# Allegro board DPU_PoE_A1_Sep27.brd (continued)
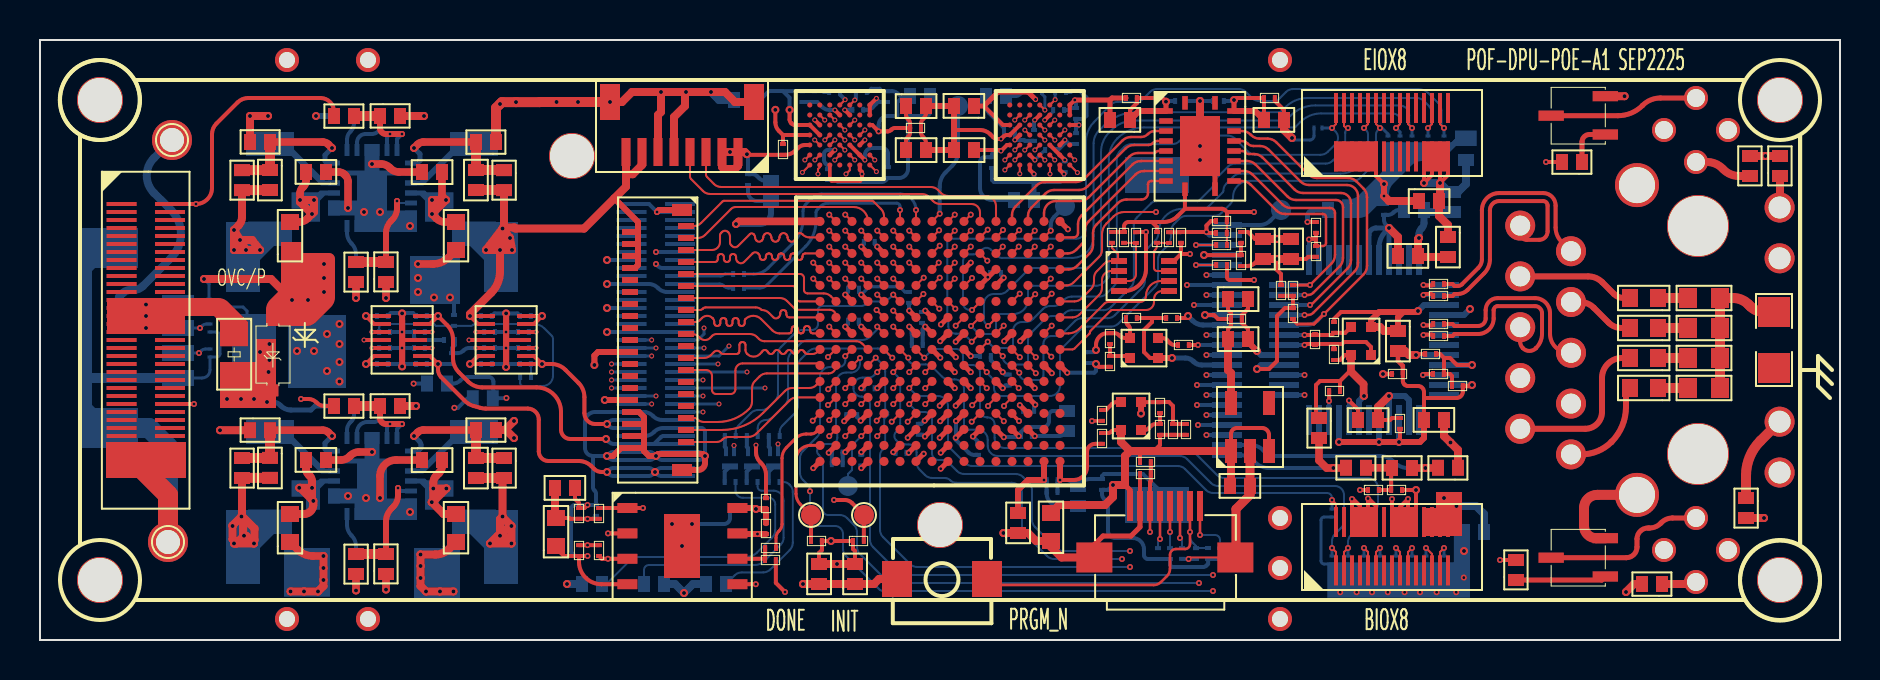
[diagram p0: board, top side]
## Routing (per net, layer and track width the routed paths; a pad name or vN(x,y) marks a point on that pad's centre or on a via; arc(x,y) is an arc through that point) (continued)
  BOTTOM w0.102: v1(57,5.1) 57.06,5.04 arc(57.09,5) 57.1,4.94 R86.1
TDI: length 26.9
  TOP w0.102: U7.F11 v1(42.66,12.59)
  TOP w0.127: J5.5 v1(56,5.05)
  SIG-6 w0.102: v1(42.66,12.59) 42.35,12.28 arc(42.24,12.11) 42.2,11.92 42.2,4.16 arc(42.24,3.97) 42.35,3.8 43.15,3 arc(43.32,2.89) 43.51,2.85 43.81,2.85 43.82,2.85 49.78,2.85 49.79,2.85 50.24,2.85 arc(50.43,2.89) 50.6,3 52.9,5.3 arc(53.07,5.41) 53.26,5.45 54.59,5.45 arc(54.78,5.41) 54.95,5.3 55.25,5 55.95,5 v1(56,5.05)
  BOTTOM w0.102: v1(56,5.05) 55.94,4.99 arc(55.91,4.95) 55.9,4.89 R88.2
TDO: length 30
  TOP w0.102: U7.E14 v1(40.26,11.79)
  TOP w0.127: J5.1 v1(58,5.25)
  SIG-6 w0.102: v1(58,5.25) 58,6.04 arc(57.96,6.23) 57.85,6.4 57.3,6.95 arc(57.13,7.06) 56.94,7.1 52.81,7.1 arc(52.62,7.14) 52.45,7.25 52.35,7.35 arc(52.18,7.46) 51.99,7.5 49.76,7.5 arc(49.57,7.54) 49.4,7.65 49.15,7.9 arc(48.98,8.01) 48.79,8.05 45.95,8.05 arc(45.77,8.12) 45.7,8.3 45.7,9.2 arc(45.66,9.38) 45.56,9.54 45.54,9.56 arc(45.44,9.72) 45.4,9.9 45.4,12.69 arc(45.36,12.88) 45.25,13.05 44.7,13.6 arc(44.53,13.71) 44.34,13.75 40.31,13.75 arc(39.95,13.6) 39.8,13.24 39.8,12.47 arc(39.84,12.27) 39.95,12.11 v1(40.26,11.79)
  BOTTOM w0.102: R85.2 59,5 arc(58.93,5.18) 58.75,5.25 v1(58,5.25)
TMS: length 26.2
  TOP w0.102: U7.E11 v1(42.66,11.79)
  TOP w0.127: J5.4 v1(56.5,5.4)
  SIG-6 w0.102: v1(56.5,5.4) 56.5,5.59 arc(56.47,5.74) 56.38,5.87 56.1,6.15 arc(55.93,6.26) 55.74,6.3 52.51,6.3 arc(52.32,6.26) 52.15,6.15 49.8,3.8 arc(49.63,3.69) 49.44,3.65 44.21,3.65 arc(44.02,3.69) 43.85,3.8 43.25,4.4 arc(43.14,4.57) 43.1,4.76 43.1,7.29 arc(43.14,7.48) 43.25,7.65 43.65,8.05 arc(43.76,8.22) 43.8,8.41 43.8,10.84 arc(43.65,11.2) 43.29,11.35 42.9,11.35 arc(42.73,11.42) 42.66,11.59 v1(42.66,11.79)
  BOTTOM w0.102: R87.2 v1(56.5,5.4)
TN: length 12.1
  TOP w0.2: R20.1 70.63,17.8 70.73,17.7 70.89,17.7 arc(71,17.72) 71.09,17.78 71.92,18.61 arc(72.05,18.81) 72.1,19.03 72.1,21.49 arc(72.35,22.1) 72.95,22.35 75.16,22.35 arc(75.6,22.16) 75.78,21.72 75.78,20.62 arc(75.86,20.24) 76.07,19.92 U13.2
TP: length 12.4
  TOP w0.2: R22.1 70.63,17.2 70.73,17.3 70.89,17.3 arc(71.15,17.35) 71.38,17.5 72.2,18.33 arc(72.42,18.65) 72.5,19.03 72.5,21.49 arc(72.63,21.81) 72.95,21.95 75.16,21.95 arc(75.32,21.88) 75.38,21.72 75.38,20.43 arc(75.26,20.13) 74.96,20.01 74.34,20.01 arc(74.11,20.1) 74.01,20.33 U13.1
TP_P2: length 0.5
  TOP w0.102: v1(50.54,19.67) U7.P2
TP_R2: length 2
  TOP w0.102: v1(50.54,20.47) U7.R2
  BOTTOM w0.2: v1(50.54,20.47) 50.54,20.75 arc(50.58,20.97) 50.71,21.16 TP6.1
UPLD_TXD1: length 29.3
  TOP w0.102: v1(55.8,21.4) 54.21,21.4 arc(53.92,21.34) 53.68,21.18 53.32,20.82 arc(53.16,20.58) 53.1,20.29 53.1,19.51 arc(53.06,19.32) 52.95,19.15 51.68,17.88 arc(51.51,17.77) 51.32,17.73 U7.M1
  TOP w0.2: R5.2 v1(75.3,23.9)
  SIG-3 w0.2: v1(75.3,23.9) 73.38,23.9 arc(73,23.82) 72.68,23.61 70.81,21.74 arc(70.49,21.53) 70.11,21.45 65.66,21.45 arc(65.28,21.53) 64.96,21.74 64.09,22.61 arc(63.77,22.82) 63.39,22.9 58.21,22.9 arc(57.83,22.82) 57.51,22.61 56.46,21.56 arc(56.28,21.44) 56.07,21.4 v1(55.8,21.4)
UPLD_TXD2: length 41.1
  TOP w0.102: v1(48.98,17.31) U7.L4
  TOP w0.2: R59.2 v1(73,4)
  SIG-6 w0.102: v1(73,4) 72.7,4.3 arc(72.59,4.47) 72.55,4.66 72.55,10.19 arc(72.51,10.38) 72.4,10.55 71.65,11.3 arc(71.48,11.41) 71.29,11.45 63.31,11.45 arc(63.12,11.49) 62.95,11.6 62.24,12.31 arc(62.13,12.48) 62.09,12.67 62.09,14.92 arc(62.05,15.11) 61.94,15.28 61.47,15.75 arc(61.3,15.86) 61.11,15.9 60.04,15.9 arc(59.68,16.05) 59.53,16.41 59.53,20.36 arc(59.38,20.72) 59.02,20.87 57.08,20.87 arc(56.89,20.83) 56.72,20.72 56.06,20.06 arc(55.89,19.95) 55.7,19.91 54.18,19.91 arc(54.08,19.89) 53.99,19.83 53.97,19.82 arc(53.89,19.76) 53.79,19.74 53.13,19.74 arc(52.94,19.7) 52.77,19.59 51.9,18.72 arc(51.71,18.59) 51.49,18.55 50.43,18.55 arc(50.24,18.51) 50.07,18.4 v1(48.98,17.31)
N760129: length 3.6
  TOP w0.2: FB1.2 C26.2 58.21,19.24 v3(58.2,19.25)
  BOTTOM w0.2: J6.4 v3(58.2,19.25)
N760503: length 3
  TOP w0.2: C56.2 FB3.2 67.56,8.56 R44.1
  TOP w0.38: R43.1 67.59,8.61 R44.1
N762812: length 1.6
  TOP w0.2: Y3.1 54.4,14.2 R32.1 R28.1
N763219: length 1.1
  TOP w0.2: Y3.3 56.09,15.1 arc(56.24,15.07) 56.36,14.99 56.51,14.84 arc(56.61,14.77) 56.73,14.75 R30.1
N900708: length 2
  TOP w0.2: U9.6 36.19,4.06 R56.1 36.26,4.01 R54.2
N990170: length 1.6
  TOP w0.2: Y4.1 55.22,10.5 arc(55.34,10.52) 55.44,10.59 55.54,10.69 arc(55.66,10.77) 55.8,10.8 R39.1 R37.1
N990230: length 1.1
  TOP w0.2: Y4.3 53.85,11.9 arc(53.71,11.87) 53.59,11.79 53.3,11.5 R38.1
N1026841: length 3.2
  TOP w0.102: U4.3 54.45,17.95 arc(54.7,18.05) 54.8,18.3 R13.1 54.79,19.86 R12.2
N1026851: length 2.7
  TOP w0.102: R15.1 56.25,19.85 56.24,19.86 R14.2 55.85,19.72 arc(55.83,19.61) 55.77,19.52 55.74,19.49 arc(55.71,19.45) 55.7,19.39 55.7,18.6 arc(55.74,18.49) 55.85,18.45 U4.7
N1593173: length 13.9
  BOTTOM w0.102: R83.2 34.78,7.47 arc(34.88,7.22) 35.14,7.11 36.44,7.11 arc(36.67,7.02) 36.76,6.79 36.76,5.49 arc(36.72,5.3) 36.61,5.13 35.85,4.37 arc(35.61,4.21) 35.32,4.15 29.78,4.15 arc(29.68,4.13) 29.59,4.07 28.39,2.87 arc(28.31,2.82) 28.22,2.8 D18.1
N1593177: length 12.2
  BOTTOM w0.102: R82.2 35.88,7.67 arc(35.94,7.53) 36.09,7.46 36.67,7.46 arc(37.03,7.32) 37.18,6.96 37.18,5.12 arc(37.14,4.93) 37.03,4.76 36.22,3.95 arc(36,3.8) 35.74,3.75 30.45,3.75 arc(30.27,3.68) 30.2,3.5 D19.1
N1593181: length 7.7
  BOTTOM w0.102: D17.1 34.73,3.23 arc(34.9,3.34) 35.09,3.38 36.16,3.38 arc(36.35,3.42) 36.52,3.53 37.49,4.5 arc(37.6,4.67) 37.64,4.86 37.64,7.4 arc(37.6,7.59) 37.5,7.74 37.47,7.78 arc(37.33,7.87) 37.17,7.9 R81.2
N1593233: length 0.9
  BOTTOM w0.2: Q5.3 34.23,8.41 R83.1
N1593237: length 0.9
  BOTTOM w0.2: R82.1 35.34,8.41 Q4.3
N1593241: length 0.9
  BOTTOM w0.2: R81.1 36.44,8.41 Q3.3
N1593321: length 0.9
  BOTTOM w0.2: R80.2 34.24,9.66 34.3,9.6 Q5.1
N1593325: length 0.9
  BOTTOM w0.2: Q4.1 35.4,9.6 35.34,9.66 R79.2
N1593329: length 0.9
  BOTTOM w0.2: R78.2 36.44,9.66 36.5,9.6 Q3.1
N1609517: length 3.6
  BOTTOM w0.2: C143.2 15.8,4.7 arc(15.75,4.98) 15.59,5.21 15.56,5.24 arc(15.4,5.47) 15.35,5.75 U14.18
  BOTTOM w0.38: C143.2 R84.1
N1613601: length 7.3
  TOP w0.38: v3(18.7,10.2) 18.88,10.38 arc(19.01,10.47) 19.17,10.5 R41.2
  TOP w0.5: R41.2 C53.1 R47.1
  BOTTOM w0.25: U14.7 18.9,9.45 19.05,9.6 19.05,9.75 arc(19.03,9.84) 18.98,9.92 v3(18.7,10.2)
N1616720: length 0.1
  BOTTOM w0.102: 11.5,10.3 L4.1
N1616768: length 7.3
  TOP w0.38: R40.2 14.14,10.49 arc(14.3,10.46) 14.43,10.37 v3(14.6,10.2)
  TOP w0.5: R40.2 C52.1 11.49,9.1 R46.1
  BOTTOM w0.25: v3(14.6,10.2) 14.25,9.85 14.25,9.55 14.29,9.51 arc(14.36,9.47) 14.44,9.45 U14.24
N1627713: length 2.4
  BOTTOM w0.2: R77.1 17,11.2 arc(16.91,10.99) 16.7,10.9 16.36,10.9 arc(16,10.75) 15.85,10.39 U14.2
N1630418: length 1.7
  BOTTOM w0.2: R76.1 15.7,11.23 arc(15.67,11.08) 15.59,10.96 15.51,10.88 arc(15.39,10.7) 15.35,10.49 U14.1
N2052721: length 6.2
  TOP w0.102: v1(44.98,21.31) U7.T9
  BOTTOM w0.2: v1(44.98,21.31) 44.98,22.67 arc(45.06,23.05) 45.28,23.38 45.61,23.71 arc(45.82,24.03) 45.9,24.41 TP5.1
N2071767: length 2.5
  BOTTOM w0.2: R66.1 17,25.7 arc(16.88,25.42) 16.6,25.3 16.28,25.3 arc(15.97,25.18) 15.85,24.87 U11.2
N2071821: length 7.3
  TOP w0.38: v3(18.7,24.6) 18.88,24.78 arc(19.01,24.87) 19.17,24.9 R4.2
  TOP w0.5: R9.1 23.2,23.5 C16.1 R4.2
  BOTTOM w0.25: v3(18.7,24.6) 19,24.3 19,23.98 18.87,23.85 U11.7
N2072037: length 3.4
  BOTTOM w0.2: U11.18 15.35,20.35 arc(15.4,20.07) 15.56,19.84 15.59,19.81 arc(15.75,19.58) 15.8,19.3 C95.2
  BOTTOM w0.38: R67.1 C95.2
N2072181: length 1.8
  BOTTOM w0.2: U11.1 15.35,25.02 arc(15.39,25.23) 15.51,25.41 15.54,25.44 arc(15.66,25.62) 15.7,25.83 R65.1
N2072229: length 7.3
  TOP w0.38: R3.2 14.13,24.9 arc(14.29,24.87) 14.42,24.78 v3(14.6,24.6)
  TOP w0.5: R8.1 11.49,23.5 C15.1 R3.2
  BOTTOM w0.25: U11.24 14.44,23.85 arc(14.36,23.87) 14.29,23.91 14.25,23.95 14.25,24.25 v3(14.6,24.6)
N2690332: length 3
  BOTTOM w0.2: J6.1 60.99,20.75 arc(61.28,20.81) 61.52,20.97 TP7.1
N2822398: length 2.7
  BOTTOM w0.15: J7.50 33.97,17.8 arc(34.09,17.78) 34.19,17.71 34.21,17.69 arc(34.31,17.62) 34.43,17.6 R69.2
N2822416: length 2.7
  BOTTOM w0.15: J7.52 34.04,18.2 arc(34.1,18.21) 34.14,18.24 34.16,18.26 arc(34.2,18.29) 34.26,18.3 R68.2
N2837557: length 1
  TOP w0.2: U5.12 v2(19.6,15.4)
  BOTTOM w0.2: C110.2 v2(19.6,15.4)
N2837561: length 1
  TOP w0.2: U5.10 v2(19.6,14.6)
  BOTTOM w0.2: C115.2 v2(19.6,14.6)
N2851475: length 1
  TOP w0.2: U6.12 v2(24.8,15.4)
  BOTTOM w0.2: C109.2 v2(24.8,15.4)
N2851539: length 1
  TOP w0.2: U6.10 v2(24.8,14.6)
  BOTTOM w0.2: C114.2 v2(24.8,14.6)
N2872165: length 11.5
  TOP w0.38: R44.2 v3(69.27,8.6) 69.89,8.6 R45.2
  BOTTOM w0.2: J6.23 60.53,9.75 arc(60.87,9.68) 61.16,9.49 61.19,9.46 arc(61.48,9.27) 61.82,9.2 67,9.2 arc(67.37,9.13) 67.69,8.91 67.71,8.89 arc(68.03,8.67) 68.4,8.6 v3(69.27,8.6)
N2872169: length 8.1
  TOP w0.38: R42.2 63.95,8.98 64.33,8.6 v3(64.67,8.6) 65.29,8.6 R43.2
  BOTTOM w0.2: v3(64.67,8.6) 61.45,8.6 arc(61.07,8.68) 60.75,8.89 60.68,8.96 arc(60.36,9.17) 59.98,9.25 J6.24
N2902183: length 1.5
  TOP w0.2: v1(69.17,17.75) 69.19,17.73 69.59,17.73 R20.2
  BOTTOM w0.2: U12.1 v1(69.17,17.75)
N2902195: length 1.6
  TOP w0.2: v1(69.17,17.25) 69.22,17.3 69.56,17.3 R22.2
  BOTTOM w0.2: U12.2 v1(69.17,17.25)
N2902207: length 1.5
  TOP w0.2: R25.2 69.59,15.73 69.19,15.73 v1(69.17,15.75)
  BOTTOM w0.2: v1(69.17,15.75) U12.5
N2902219: length 1.5
  TOP w0.2: v1(69.17,15.25) 69.19,15.27 69.59,15.27 R27.2
  BOTTOM w0.2: U12.6 v1(69.17,15.25)
N2910858: length 1.6
  TOP w0.2: v1(69.15,13.25) 69.2,13.3 R33.1
  BOTTOM w0.2: U12.10 v1(69.15,13.25)
N2920519: length 2.1
  TOP w0.2: C44.1 65.9,11.52 v1(65.45,11.97)
  BOTTOM w0.2: U12.20 v1(65.45,11.97)
N2922742: length 1.5
  TOP w0.2: v1(64.45,11.95) 64.46,11.96 C43.2
  BOTTOM w0.2: U12.22 v1(64.45,11.95)
N2933507: length 3.6
  TOP w0.2: Y2.3 65.26,15.36 C32.2 64.7,15.35 64.6,15.25 63.79,15.25 R29.2 63.71,15.25 v1(63.23,15.25)
  BOTTOM w0.2: U12.31 v1(63.23,15.25)
N2934366: length 5.3
  TOP w0.2: v1(63.23,14.75) 63.28,14.8 63.7,14.8 R29.1 63.8,14.8 64.6,14.8 ; 64.6,14.8 64.7,14.7 C38.2 ; 64.6,14.8 65.1,14.8 65.2,14.9 66.3,14.9 66.55,14.65 Y2.1
  BOTTOM w0.2: U12.30 v1(63.23,14.75)
N2966266: length 4.4
  TOP w0.5: R49.1 85.3,8.22 arc(85.49,9.16) 86.02,9.95 U13.13
N2966270: length 1.6
  TOP w0.4: U13.11 87,21.64 R7.1
N2975066: length 5.9
  TOP w0.3: C28.2 79.18,17.1 arc(78.92,17.15) 78.7,17.3 78.11,17.89 arc(77.79,18.1) 77.41,18.18 U13.3
N2979599: length 3.4
  TOP w0.3: C33.2 79.08,15.6 arc(78.73,15.67) 78.43,15.87 77.69,16.61 arc(77.37,16.83) 77,16.9 U13.4
N2979611: length 8.2
  TOP w0.3: C39.2 79.1,14.1 arc(78.39,13.81) 78.1,13.1 78.1,11.4 arc(77.85,10.81) 77.26,10.56 U13.9
N2981115: length 5.2
  TOP w0.3: C42.2 79.37,12.47 arc(79.32,12.39) 79.3,12.3 79.3,11.66 arc(79.11,10.71) 78.57,9.91 arc(77.88,9.44) 77.07,9.28 U13.10
N2982594: length 7.4
  TOP w0.5: R34.2 R31.2 R26.2 R23.2 84.66,17.1 arc(85.07,17.02) 85.41,16.79 85.52,16.68 arc(85.83,16.47) 86.2,16.4 C35.2
N3194519: length 7.5
  TOP w0.25: Q1.3 78.9,26.21 arc(79.56,26.35) 80.12,26.72 80.13,26.73 arc(80.54,27) 81.02,27.1 LD1.2
N3194698: length 2.9
  TOP w0.4: LD1.1 83.34,23.9 arc(83.77,23.82) 84.12,23.58 84.18,23.52 arc(84.53,23.28) 84.95,23.2 R6.1
N3194743: length 2.4
  TOP w0.25: R5.1 77.1,24.9 arc(77.21,25.17) 77.48,25.28 Q1.1
N3194934: length 1.7
  TOP w0.4: R60.1 82.7,2.8 LD2.1
N3195021: length 8.4
  TOP w0.25: LD2.2 81.63,6.1 arc(81.32,6.04) 81.07,5.87 81.03,5.83 arc(80.78,5.66) 80.47,5.6 80.4,5.6 arc(80.01,5.44) 79.85,5.05 79.85,4.65 arc(79.69,4.27) 79.31,4.11 Q2.3
N3195213: length 4.5
  TOP w0.25: R59.1 78.09,3 Q2.1
N29811470: length 1.5
  TOP w0.5: C28.1 R23.1
N29812170: length 1.5
  TOP w0.5: C33.1 R26.1
N29812430: length 1.5
  TOP w0.5: C39.1 R31.1
N29812690: length 1.5
  TOP w0.5: C42.1 R34.1

## Copper pours and planes (outline as drawn; the poured copper is in the pictures)
GND on TOP (solid shape): 7.3,8.1 3.3,8.1 3.3,9.9 7.3,9.9
GND on TOP (solid shape): 66.9,23.43 64.7,23.43 64.7,24.93 66.9,24.93
GND on TOP (solid shape): 66.9,5.15 65.5,5.15 65.5,6.65 66.9,6.65
GND on TOP (solid shape): 13.1,19.35 14.45,19.35 14.66,19.26 14.75,19.05 14.75,17.15 14.69,16.87 14.54,16.64 13.81,15.91 13.58,15.76 13.3,15.7 11.3,15.7 11.3,16.5 11.36,16.78 11.51,17.01 11.84,17.34 11.99,17.57 12.05,17.85 12.05,19.9 13.1,19.9
GND on BOTTOM (solid shape): 14.5,2.16 12.2,2.16 12.2,4.6 14.5,4.6
GND on BOTTOM (solid shape): 14.6,16.7 12.2,16.7 12.2,19.2 14.6,19.2
GND on BOTTOM (solid shape): 15.3,12.6 12.4,12.6 12.4,16.25 15.3,16.25
GND on BOTTOM (solid shape): 21,16.8 18.5,16.8 18.5,19.2 21,19.2
GND on BOTTOM (solid shape): 21,2.1 18.7,2.1 18.7,4.6 21,4.6
GND on BOTTOM (solid shape): 71.5,2.11 64.36,2.11 64.36,3.88 70.69,3.88 70.69,5.8 71.5,5.8
GND on BOTTOM (solid shape): 16.98,23.48 18.85,23.48 18.85,23.23 17.35,23.23 17.35,21.48 18.85,21.48 18.85,20.4 15.72,20.4 15.72,21.23 14.4,21.23 14.4,21.98 15.85,21.98 15.85,23.23 14.4,23.23 14.4,23.48 16.23,23.48 16.23,24.8 16.98,24.8
GND on BOTTOM (solid shape): 16.98,9.07 18.85,9.07 18.85,8.82 17.35,8.82 17.35,7.07 18.85,7.07 18.85,6 15.72,6 15.72,6.82 14.4,6.82 14.4,7.57 15.85,7.57 15.85,8.82 14.4,8.82 14.4,9.07 16.23,9.07 16.23,10.4 16.98,10.4
GND on BOTTOM (solid shape): 71.84,24.7 70.8,24.7 70.26,24.16 70.03,24.01 69.75,23.95 69.1,23.95 68.82,23.89 68.59,23.74 67.66,22.81 67.51,22.58 67.45,22.3 67.45,21.7 66.84,21.7 66.45,21.31 66.22,21.16 65.94,21.1 65.1,21.1 65.1,22.04 65.44,22.04 65.72,22.1 65.95,22.25 67.04,23.34 67.19,23.57 67.25,23.85 67.25,24.88 70.57,24.88 70.75,25.06 70.75,25.47 71.84,25.47
GND on GND-2: 59.36,28.5 62,26.31 64.64,28.5 88.5,28.5 88.5,23.2 72.1,23.2 72.1,6.8 88.5,6.8 88.5,1.5 63.9,1.5 63.69,2.03 63.33,2.48 63.64,3.01 63.74,3.6 63.55,4.38 63.04,5 63.39,5.5 63.51,6.1 62,7.61 60.49,6.1 60.61,5.5 60.96,5 60.45,4.38 60.26,3.6 60.36,3.01 60.67,2.48 60.31,2.03 60.1,1.5 17.92,1.5 17.35,2.32 16.4,2.64 15.45,2.32 14.88,1.5 13.62,1.5 12.35,2.4 11.08,1.5 1.5,1.5 1.5,28.5 10.2,28.5 10.98,27.27 12.35,26.79 13.64,27.21 14.45,28.31 16.5,26.93 18.41,28.5 ; 7 cut-outs
GND on GND-5: 59.36,28.5 62,26.31 64.64,28.5 88.5,28.5 88.5,23.2 72.1,23.2 72.1,6.8 88.5,6.8 88.5,1.5 63.91,1.5 63.69,2.03 63.34,2.48 63.64,3.01 63.74,3.6 63.55,4.39 63.03,5.01 63.38,5.5 63.5,6.1 62,7.6 60.5,6.1 60.62,5.5 60.97,5.01 60.45,4.39 60.26,3.6 60.36,3.01 60.66,2.48 60.31,2.03 60.09,1.5 17.92,1.5 16.4,2.64 14.88,1.5 13.62,1.5 13.13,2.15 12.35,2.4 11.57,2.15 11.08,1.5 1.5,1.5 1.5,28.5 10.2,28.5 10.98,27.27 12.35,26.79 13.64,27.21 14.45,28.3 16.5,26.93 18.41,28.5 ; 7 cut-outs
GND on GND-7: 59.36,28.5 62,26.32 64.64,28.5 88.5,28.5 88.5,23.2 72.1,23.2 72.1,6.8 88.5,6.8 88.5,1.5 63.9,1.5 63.69,2.03 63.33,2.48 63.64,3 63.74,3.6 63.55,4.39 63.02,5.01 63.37,5.51 63.5,6.1 62,7.6 60.5,6.1 60.63,5.51 60.98,5.01 60.45,4.39 60.26,3.6 60.36,3 60.67,2.48 60.31,2.03 60.1,1.5 17.93,1.5 16.4,2.64 14.88,1.5 13.83,1.5 13.27,2.29 12.35,2.6 11.43,2.29 10.87,1.5 1.5,1.5 1.5,28.5 10.2,28.5 10.98,27.27 12.35,26.79 13.64,27.21 14.45,28.31 16.5,26.93 18.41,28.5 ; 7 cut-outs
P1V0 on BOTTOM (solid shape): 12.6,19.7 11.7,19.7 11,19 11,17.4 9.3,17.4 9.3,20.9 12.6,20.9
P1V0 on VCC-4: 9.02,20.9 10.63,20.9 11.04,20.49 11.14,20.42 11.25,20.4 20.08,20.4 21.2,19.28 21.2,18.8 21.22,18.69 21.29,18.59 21.64,18.24 21.74,18.17 21.85,18.15 35.63,18.15 38.44,15.34 38.54,15.27 38.65,15.25 42.6,15.25 42.71,15.27 42.81,15.34 44.92,17.45 46.78,17.45 47.55,16.68 47.55,14.92 45.59,12.96 45.52,12.86 45.5,12.75 45.5,11.85 45.52,11.74 45.59,11.64 46.19,11.04 46.29,10.97 46.4,10.95 48.73,10.95 50.65,9.03 50.65,7.75 49.62,7.75 48.31,9.06 48.21,9.13 48.1,9.15 45.6,9.15 45.6,9.75 45.58,9.86 45.51,9.96 45.21,10.26 45.11,10.33 45,10.35 43.35,10.35 43.24,10.33 43.14,10.26 42.53,9.65 40.45,9.65 40.34,9.63 40.24,9.56 39.73,9.05 39.02,9.05 38.65,9.42 38.65,10.68 38.82,10.85 42.4,10.85 42.51,10.87 42.61,10.94 42.81,11.14 42.88,11.24 42.9,11.35 42.9,13.05 43.9,13.05 44.01,13.07 44.11,13.14 44.51,13.54 44.58,13.64 44.6,13.75 44.6,14.18 45.09,14.66 45.15,14.69 45.21,14.74 45.86,15.39 45.93,15.49 45.95,15.6 45.95,15.85 45.93,15.96 45.86,16.06 45.61,16.31 45.51,16.38 45.4,16.4 44.65,16.4 44.54,16.38 44.44,16.31 43.24,15.11 43.17,15.01 43.15,14.9 43.15,14.5 23.62,14.5 22.31,15.81 22.21,15.88 22.1,15.9 20.37,15.9 18.11,18.16 18.01,18.23 17.9,18.25 15.6,18.25 15.49,18.23 15.39,18.16 14.83,17.6 7.65,17.6 7.65,19.53
P1V8 on TOP (solid shape): 70.5,23.43 69.1,23.43 69.1,24.93 70.5,24.93
P1V8 on BOTTOM (solid shape): 12.6,5.3 11.7,5.3 11,4.6 11,2.8 9.3,2.8 9.3,6.5 12.6,6.5
P1V8 on VCC-4: 33.64,28.5 57.73,28.5 57.73,22.2 57.72,22.14 57.71,22.09 57.8,21.88 58.01,21.79 60.7,21.79 60.77,21.8 60.83,21.82 61.06,21.82 61.5,21.37 61.49,21.36 61.04,20.91 60.97,20.81 60.95,20.7 60.95,17.27 60.82,17.14 60.78,17.15 60.75,17.15 60.2,17.15 60.09,17.13 59.99,17.06 58.34,15.41 58.27,15.31 58.25,15.2 58.25,11.57 50.73,4.05 39.77,4.05 38.96,4.86 38.86,4.93 38.75,4.95 30.25,4.95 30.14,4.93 30.04,4.86 29.13,3.95 25.57,3.95 24.65,4.87 24.65,5.85 24.63,5.96 24.56,6.06 23.71,6.91 23.61,6.98 23.5,7 22.9,7 22.79,6.98 22.69,6.91 21.71,5.94 21.65,5.91 21.59,5.86 21.09,5.36 21.02,5.26 21,5.15 21,3.1 21.02,2.99 21.09,2.89 22.48,1.5 17.89,1.5 17.89,2.07 17.17,2.79 14.74,2.79 14.73,2.78 14.64,2.62 14.5,2.49 14.5,2.43 14.32,2 13.9,1.83 13.72,1.86 13.55,1.94 13.49,1.9 13.42,1.87 12.95,2.26 12.35,2.4 11.57,2.15 11.08,1.5 1.5,1.5 1.5,8.45 10.53,8.45 12.94,6.04 13.04,5.97 13.15,5.95 19.9,5.95 20.01,5.97 20.11,6.04 21.51,7.44 21.58,7.54 21.6,7.65 21.6,10.83 22.91,12.14 22.98,12.24 23,12.35 23,14.28 23.29,13.99 23.39,13.92 23.5,13.9 43.3,13.9 43.41,13.92 43.51,13.99 43.66,14.14 43.73,14.24 43.75,14.35 43.75,14.78 44.77,15.8 45.28,15.8 45.35,15.73 45.35,15.72 44.86,15.24 44.8,15.21 44.74,15.16 44.09,14.51 44.02,14.41 44,14.3 44,13.87 43.78,13.65 42.75,13.65 42.64,13.63 42.54,13.56 42.39,13.41 42.32,13.31 42.3,13.2 42.3,11.47 42.28,11.45 38.7,11.45 38.59,11.43 38.49,11.36 38.14,11.01 38.07,10.91 38.05,10.8 38.05,9.3 38.07,9.19 38.14,9.09 38.69,8.54 38.79,8.47 38.9,8.45 39.85,8.45 39.96,8.47 40.06,8.54 40.57,9.05 42.65,9.05 42.76,9.07 42.86,9.14 43.47,9.75 44.88,9.75 45,9.63 45,8.95 45.02,8.84 45.09,8.74 45.19,8.64 45.29,8.57 45.4,8.55 47.98,8.55 49.29,7.24 49.39,7.17 49.5,7.15 50.95,7.15 51.16,7.24 51.25,7.45 51.25,9.15 51.23,9.26 51.16,9.36 49.06,11.46 48.96,11.53 48.85,11.55 46.52,11.55 46.1,11.97 46.1,12.63 48.06,14.59 48.13,14.69 48.15,14.8 48.15,16.8 48.13,16.91 48.06,17.01 47.11,17.96 47.01,18.03 46.9,18.05 44.8,18.05 44.69,18.03 44.59,17.96 42.48,15.85 38.77,15.85 35.96,18.66 35.86,18.73 35.75,18.75 33.64,18.75 ; 1 cut-out
P2V8 on TOP (solid shape): 68.9,5.15 67.5,5.15 67.5,6.65 68.9,6.65
P2V8 on BOTTOM (solid shape): 23.9,2.8 22.2,2.8 22.2,4.6 21.5,5.3 20.6,5.3 20.6,6.5 23.9,6.5
P2V8 on VCC-4: 61.82,20.85 62.03,20.85 63.4,19.48 63.4,15.22 62.98,14.8 60.95,14.8 60.84,14.78 60.74,14.71 60.14,14.11 60.07,14.01 60.05,13.9 60.05,12.55 60.07,12.44 60.14,12.34 60.69,11.79 60.79,11.72 60.9,11.7 65.98,11.7 69.2,8.48 69.2,1.5 63.9,1.5 63.69,2.03 63.33,2.48 63.64,3 63.74,3.6 63.56,4.38 63.04,5 63.39,5.5 63.52,6.1 62,7.62 60.48,6.1 60.61,5.5 60.96,5 60.44,4.38 60.26,3.6 60.36,3 60.67,2.48 60.31,2.03 60.1,1.5 23.32,1.5 21.6,3.22 21.6,5.03 21.88,5.3 22.04,5.37 22.14,5.51 23.02,6.4 23.38,6.4 24.05,5.73 24.05,4.75 24.07,4.64 24.14,4.54 25.24,3.44 25.34,3.37 25.45,3.35 29.25,3.35 29.36,3.37 29.46,3.44 30.37,4.35 38.63,4.35 39.44,3.54 39.54,3.47 39.65,3.45 50.85,3.45 50.96,3.47 51.06,3.54 58.76,11.24 58.83,11.34 58.85,11.45 58.85,15.08 60.32,16.55 60.63,16.55 60.64,16.54 60.74,16.47 60.85,16.45 60.96,16.47 61.06,16.54 61.46,16.94 61.53,17.04 61.55,17.15 61.55,20.58
P3V3 on TOP (solid shape): 71.1,5.2 69.1,5.2 69.1,6.6 69.8,6.6 69.8,7.4 71.1,7.4
P3V3 on BOTTOM (solid shape): 23.9,17.4 22.2,17.4 22.2,19 21.5,19.7 20.6,19.7 20.6,20.9 23.9,20.9
P3V3 on VCC-4: 21.35,28.5 33.04,28.5 33.04,18.75 21.97,18.75 21.8,18.92 21.8,19.4 21.78,19.51 21.71,19.61 20.6,20.73 21.26,21.39 21.33,21.49 21.35,21.6
P3V3 on VCC-4: 63.71,26.94 64.63,28.5 88.5,28.5 88.5,23.2 72.1,23.2 72.1,6.8 88.5,6.8 88.5,1.5 69.8,1.5 69.8,8.6 69.78,8.71 69.71,8.81 66.31,12.21 66.21,12.28 66.1,12.3 61.02,12.3 60.65,12.67 60.65,13.78 61.07,14.2 63.1,14.2 63.21,14.22 63.31,14.29 63.91,14.89 63.98,14.99 64,15.1 64,19.6 63.98,19.71 63.91,19.81 61.39,22.33 61.29,22.4 61.18,22.42 60.73,22.42 60.66,22.41 60.6,22.39 58.33,22.39 58.33,28.5 59.37,28.5 60.29,26.94 62,26.32 ; 2 cut-outs
P5V0 on TOP (solid shape): 11.8,11.6 9,11.6 9,13.9 10.8,13.9 10.8,15.05 11.8,15.05
P5V0 on BOTTOM (solid shape): 11.8,12.5 9.6,12.5 9.6,16.3 11.8,16.3
P5V0 on BOTTOM (solid shape): 15,22.23 14.25,22.23 14,21.97 14,20.91 13.3,20.91 13.3,21.57 12.58,21.57 12.58,22.39 13.9,22.39 13.99,22.48 15,22.48
P5V0 on BOTTOM (solid shape): 15,7.82 14.25,7.82 14,7.57 14,6.51 13.3,6.51 13.3,7.17 12.58,7.17 12.58,7.99 13.9,7.99 13.99,8.07 15,8.07
P5V0 on BOTTOM (solid shape): 19.35,22.39 20.67,22.39 20.67,21.57 19.95,21.57 19.95,20.91 19.25,20.91 19.25,21.97 19,22.23 18.25,22.23 18.25,22.48 19.26,22.48
P5V0 on BOTTOM (solid shape): 19.35,7.99 20.67,7.99 20.67,7.17 19.95,7.17 19.95,6.51 19.25,6.51 19.25,7.57 19,7.82 18.25,7.82 18.25,8.07 19.26,8.07
P5V0 on VCC-4: 17.68,27.37 18.41,28.5 20.75,28.5 20.75,21.72 20.03,21 11.37,21 10.96,21.41 10.86,21.48 10.75,21.5 8.9,21.5 8.79,21.48 8.69,21.41 7.14,19.86 7.07,19.76 7.05,19.65 7.05,17.45 7.07,17.34 7.14,17.24 7.29,17.09 7.39,17.02 7.5,17 14.95,17 15.06,17.02 15.16,17.09 15.72,17.65 17.78,17.65 20.04,15.39 20.14,15.32 20.25,15.3 21.98,15.3 22.4,14.88 22.4,12.47 21.09,11.16 21.02,11.06 21,10.95 21,7.77 19.78,6.55 13.27,6.55 10.86,8.96 10.76,9.03 10.65,9.05 1.5,9.05 1.5,28.5 10.21,28.5 12.26,26.8 14.44,28.32 15.2,27.31 16.4,26.93
P5V0_IN on TOP (solid shape): 8.9,17.1 9.18,17.04 9.41,16.89 10.4,15.9 10.4,14.7 9,14.7 9,15.9 8.7,16.2 7.25,16.2 7.25,15.3 3.35,15.3 3.35,17.1
N1599549 on BOTTOM (solid shape): 22.9,9.8 20.65,9.8 19.17,8.32 18.25,8.32 18.25,8.57 19,8.57 20.5,10.07 20.5,11 22.9,11
N1616720 on BOTTOM (solid shape): 12.7,10.12 14.25,8.57 15,8.57 15,8.32 14.04,8.32 12.57,9.8 10.3,9.8 10.3,11 12.7,11
N2071731 on BOTTOM (solid shape): 22.9,24.2 20.65,24.2 19.17,22.73 18.25,22.73 18.25,22.98 19,22.98 20.5,24.48 20.5,25.4 22.9,25.4
N2072149 on BOTTOM (solid shape): 12.7,24.52 14.25,22.98 15,22.98 15,22.73 14.04,22.73 12.57,24.2 10.3,24.2 10.3,25.4 12.7,25.4

## Text on the board
Ref Des/Silkscreen Bottom: GND | P5V0_IN | 1 | 69 | INFIRAY L640X512 | 2 | 70 | M1.6X3 | OV5640 | 24 | P1V8 | P1V0 | P3V3 | P2V8 | PCB SIZE:90MMX30MM | POF-DPU-POE-COMPATIBLE SEP2225 | POF-DPU-POE-A1 SEP2225 | GOD BLESS | NO BUGS PERMANENTLY | 10/100BASET POE CONFIG
Ref Des/Silkscreen Top: 8 LAYERS PCB STACK, 1.6mm THINKNESS. | ANY QUESTIONS PLEASE CONTACT ME: +8613522296239 | OVC/P | DONE | INIT | PRGM_N | EIOX8 | BIOX8 | POF-DPU-POE-A1 SEP2225
XSECTION_CHART: ___________________________ | *  DIELECTRIC | L2 GND-2 CONDUCTOR | L3 SIG-3 CONDUCTOR | L4 VCC-4 CONDUCTOR | L5 GND-5 CONDUCTOR | L6 SIG-6 CONDUCTOR | L7 GND-7 CONDUCTOR | L8 BOTTOM CONDUCTOR | *  SURFACE | L1 TOP CONDUCTOR | TOTAL THICKNESS 1.66624 MM | DESIGN CROSS SECTION CHART | 1-8
DIMENSION: FIGURE | FINISHED_SIZE | 0.15 | 0.2 | 0.8 | 0.9 | 1.0 | 1.1 | 1.2 | 1.8 | 2.2 | 3.0 | DRILL CHART: TOP to BOTTOM | ALL UNITS ARE IN MILLIMETERS | PLATED | NON-PLATED | QTY | 104 | 301 | 193 | 8 | 10 | 4 | 2 | 6
